# Altium PCB controller.PcbDoc (part 2 of 6)
Units mm, origin at the board's own origin, x right, y up, seen from the top; angles counter-clockwise.
Board outline 151 x 78 mm, 2 copper layers (Top Layer, Bottom Layer); 227 components, 202 nets, 805 pads, 125 vias.
Unrouted connection lines stored in the file: 1.
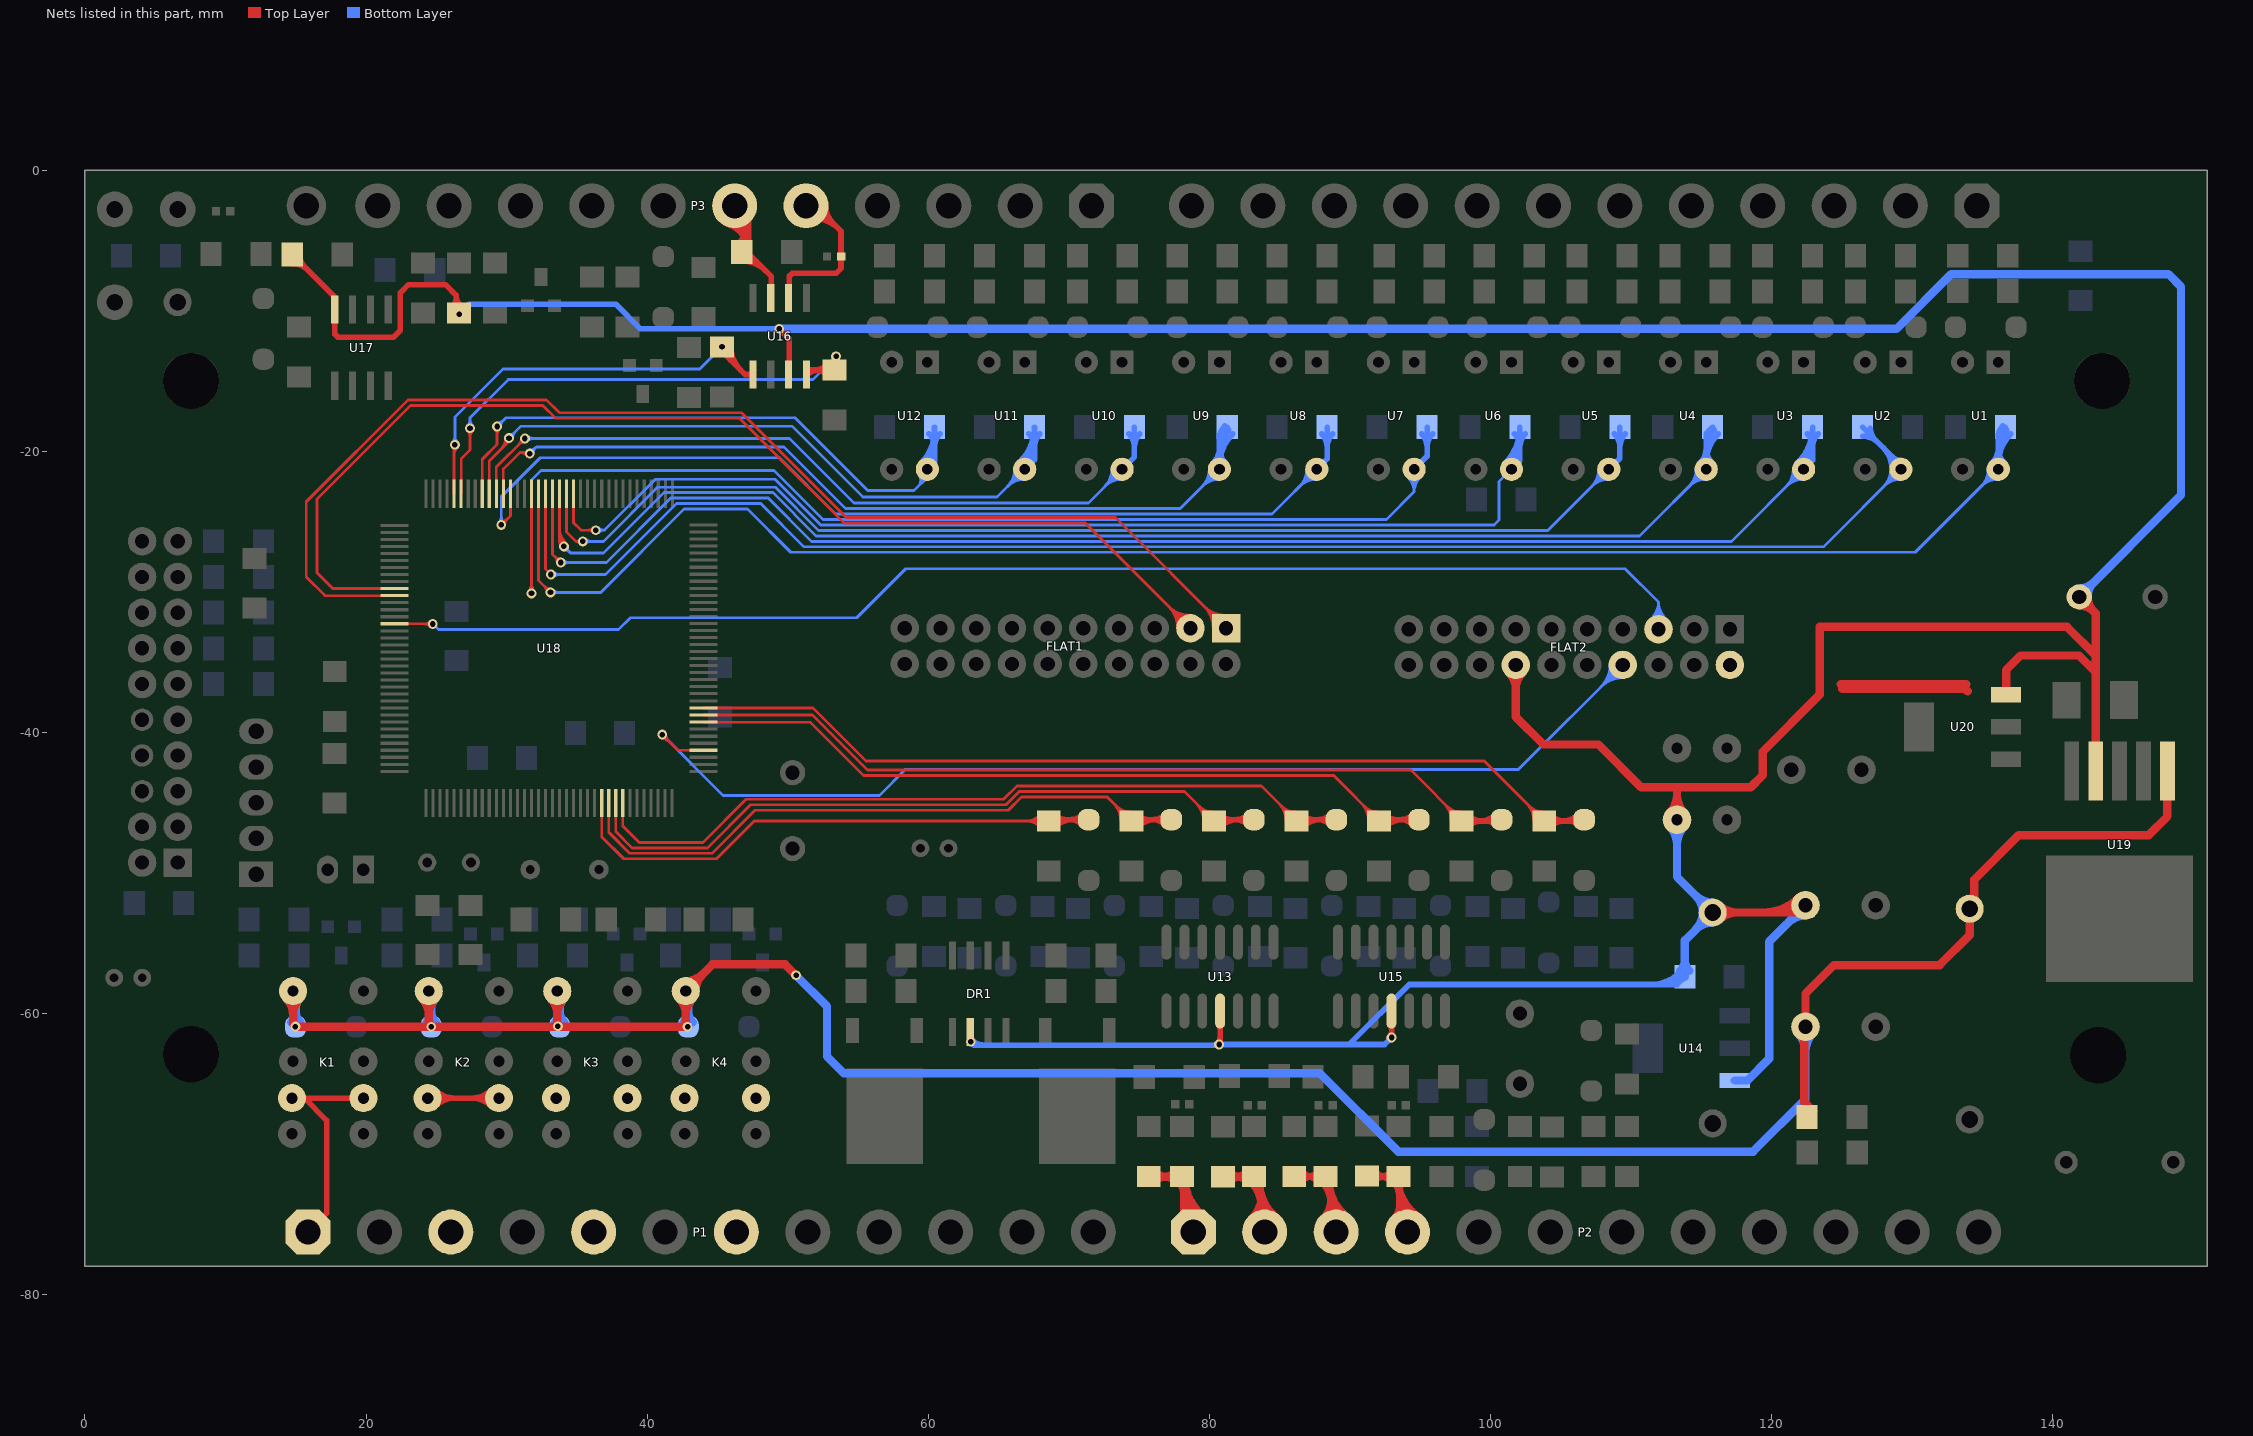
[diagram p2: the nets of this part, all layers, seen from the top]

## Via types
v1: diameter 0.7, hole 0.4, Top Layer to Bottom Layer, tented both sides, 124 vias
v2: diameter 0.8, hole 0.5, Top Layer to Bottom Layer, tented both sides, 1 vias

## Nets (pads, with @x,y where several pads share a name; then routed paths per layer and width w, separated by ;. In a path a pad name is that pad's centre, name@x,y a point inside that pad or via, vN(x,y) a via of type N, cw(c..) or ccw(c..) an arc to the next point about the centre after c; other vN are vias at no path point) (continued)
+5V: C7.2 C31.1 C32.2 DR1.6 F2.1 FLAT2.2 FLAT2.14 L2.2 R72.2 R79.1 U13.4 U14.3 U15.4 U16.3 U17.8 U19.4 U20.3 | length 416.9
  Top Layer w0.4: R72.2@14.752,-6.65 cw(c14.752,-8.219) 15.862,-7.11 ; R72.2@14.752,-6 17.775,-9.023 U17.8@17.775,-9.91 17.775,-11.675 18,-11.9 21.95,-11.9 22.437,-11.413 22.437,-8.738 23.025,-8.15 25.65,-8.15 26.416,-8.916 ; R72.2@15.302,-6.1 ccw(c16.388,-6.1) 15.62,-6.868 ; 17.581,-8.829 cw(c17.244,-9.165) U17.8@17.72,-9.165 ; R79.1@26.136,-9.769 ccw(c25.46,-9.093) 26.416,-9.093 ; R79.1@26.416,-10.16 26.416,-10.158 26.416,-8.916 ; 26.416,-9.383 ccw(c27.492,-9.383) R79.1@26.731,-10.144 ; v1(26.625,-10.25) R79.1@26.625,-10.158 ; R79.1@26.833,-9.703 cw(c27.366,-8.916) 26.416,-8.916 ; v1@49.4,-11.45 cw(c49.4,-11.812) 49.656,-11.556 cw(c49.912,-11.3) v1@49.55,-11.3 ; v1(49.4,-11.3) 50.115,-12.015 U16.3@50.115,-14.225 ; U16.3@50.026,-13.766 ccw(c49.812,-13.552) U16.3@50.115,-13.552 ; DR1.6@62.992,-61.583 ccw(c63.467,-61.583) DR1.6@63.131,-61.919 ; DR1.6@62.992,-61.433 DR1.6@62.992,-61.32 62.992,-62.008 62.975,-62.025 62.992,-62.025 v1(63.025,-62.025) ; v1@80.594,-62.119 ccw(c80.166,-61.691) 80.771,-61.691 ; U13.4@80.665,-60.847 cw(c80.409,-61.103) 80.771,-61.103 cw(c81.133,-61.103) U13.4@80.877,-60.847 ; v1(80.7,-62.225) 80.771,-62.154 U13.4@80.771,-59.841 ; U15.4@92.857,-60.847 cw(c92.572,-61.132) 92.975,-61.132 ; v1@92.869,-61.619 ccw(c92.613,-61.363) 92.975,-61.363 ccw(c93.337,-61.363) v1@93.081,-61.619 ; U15.4@92.963,-59.841 92.975,-59.853 v1(92.975,-61.725)
  Top Layer w0.6: FLAT2.14@101.304,-35.721 cw(c100.081,-36.944) 101.81,-36.944 cw(c103.539,-36.944) FLAT2.14@102.316,-35.721 ; FLAT2.14@101.81,-35.215 101.81,-38.91 103.775,-40.875 107.697,-40.875 110.736,-43.914 115.331,-43.914 ; C32.2@112.778,-45.722 ccw(c111.555,-44.499) 113.284,-44.499 ccw(c115.013,-44.499) C32.2@113.79,-45.722 ; C32.2@113.284,-46.228 113.284,-44.316 ; F2.1@115.824,-52.832 121.92,-52.832 C31.1@122.428,-52.324 ; F2.1@116.319,-53.327 cw(c117.514,-54.522) 117.514,-52.832 cw(c117.514,-51.142) F2.1@116.319,-52.337 ; 116.861,-43.914 115.331,-43.914 ; 119.473,-52.832 ccw(c119.473,-49.369) C31.1@121.922,-51.818 ; 120.922,-52.832 ccw(c120.922,-50.818) C31.1@122.346,-52.242 ; 124.925,-36.6 133.875,-36.6 ; 125.05,-36.925 133.8,-36.925 133.975,-37.1 ; U20.3@136.527,-37.147 ccw(c136.1,-36.72) 136.704,-36.72 ccw(c137.308,-36.72) U20.3@136.881,-37.147 ; U20.3@136.704,-37.324 136.704,-35.578 137.738,-34.544 141.902,-34.544 143.08,-35.722 ; L2.2@141.907,-30.975 cw(c141.907,-32.424) 142.931,-31.399 cw(c143.956,-30.375) L2.2@142.507,-30.375 ; L2.2@141.907,-30.375 143.08,-31.548 143.08,-34.552 ; U19.4@142.921,-41.042 ccw(c142.537,-40.658) 143.08,-40.658 ccw(c143.623,-40.658) U19.4@143.239,-41.042 ; U19.4@143.08,-42.776 143.08,-35.722 ; 115.331,-43.914 118.536,-43.914 119.377,-43.073 119.377,-41.398 123.444,-37.331 123.444,-32.512 141.04,-32.512 143.08,-34.552 ; 143.08,-35.722 143.08,-34.552
  Bottom Layer w0.4: v1(26.625,-10.25) 27.325,-9.55 37.775,-9.55 39.525,-11.3 v1(49.4,-11.3) ; v1@26.625,-10.1 ccw(c26.625,-9.738) 26.881,-9.994 ccw(c27.137,-10.25) v1@26.775,-10.25 ; v1@49.294,-11.406 ccw(c49.038,-11.662) 49.038,-11.3 ccw(c49.038,-10.938) v1@49.294,-11.194 ; v1(63.025,-62.025) 63.275,-62.275 80.65,-62.275 v1(80.7,-62.225) 89.954,-62.225 ; v1@63.131,-61.919 ccw(c63.991,-61.059) 63.991,-62.275 ; 80.217,-62.275 ccw(c80.217,-61.742) v1@80.594,-62.119 ; v1@80.806,-62.331 cw(c81.062,-62.587) 81.062,-62.225 cw(c81.062,-61.863) v1@80.806,-62.119 ; v1@92.825,-61.725 cw(c92.463,-61.725) 92.719,-61.981 cw(c92.975,-62.237) v1@92.975,-61.875 ; v1(92.975,-61.725) 92.475,-62.225 89.954,-62.225 ; 111.435,-57.95 ccw(c111.435,-55.099) C7.2@113.451,-57.115 ; 112.401,-57.95 ccw(c112.401,-56.065) C7.2@113.734,-57.398 ; C7.2@113.84,-57.404 113.294,-57.95 94.229,-57.95 89.954,-62.225
  Bottom Layer w0.6: v1(49.4,-11.3) 128.9,-11.3 132.8,-7.4 148.25,-7.4 149.15,-8.3 149.15,-23.132 L2.2@141.907,-30.375 ; C32.2@112.778,-46.734 cw(c111.555,-47.957) 113.284,-47.957 cw(c115.013,-47.957) C32.2@113.79,-46.734 ; C32.2@113.284,-46.228 113.284,-50.292 F2.1@115.824,-52.832 113.84,-54.816 C7.2@113.84,-57.404 ; C7.2@113.522,-56.986 ccw(c112.754,-56.218) 113.84,-56.218 ccw(c114.926,-56.218) C7.2@114.158,-56.986 ; F2.1@115.824,-53.532 ccw(c115.824,-55.222) 114.629,-54.027 ccw(c113.434,-52.832) 115.124,-52.832 ccw(c113.434,-52.832) 114.629,-51.637 ccw(c115.824,-50.442) F2.1@115.824,-52.132 ; U14.3@117.4,-64.784 118.291,-64.784 119.85,-63.225 119.85,-54.902 C31.1@122.428,-52.324 ; C31.1@121.712,-52.324 cw(c119.983,-52.324) 121.206,-53.546 cw(c122.428,-54.769) C31.1@122.428,-53.04 ; L2.2@141.907,-29.775 ccw(c141.907,-28.326) 142.931,-29.351 ccw(c143.956,-30.375) L2.2@142.507,-30.375
+12V: C30.1 D31.2 D32.2 D33.2 D34.2 D36.1 F1.2 K1.4 K2.4 K3.4 K4.4 U19.1 | length 223.8
  Top Layer w0.6: K1.4@14.317,-58.915 cw(c13.122,-60.11) 14.812,-60.11 cw(c16.502,-60.11) K1.4@15.307,-58.915 ; 14.812,-60.436 ccw(c15.489,-60.436) v1@15.01,-60.915 ; K1.4@14.812,-58.42 14.812,-60.787 v1(14.975,-60.95) ; v1@14.985,-60.96 v1(24.638,-60.96) ; K2.4@23.969,-58.915 cw(c22.774,-60.11) 24.464,-60.11 cw(c26.154,-60.11) K2.4@24.959,-58.915 ; 24.464,-60.419 ccw(c25.179,-60.419) v1@24.673,-60.925 ; K2.4@24.464,-58.42 24.464,-60.786 v1(24.638,-60.96) ; K3.4@33.113,-58.915 cw(c31.918,-60.11) 33.608,-60.11 cw(c35.298,-60.11) K3.4@34.103,-58.915 ; v1@33.608,-60.883 K3.4@33.608,-58.42 ; v1@33.65,-60.96 v1(24.638,-60.96) ; v1@33.685,-60.96 v1(42.885,-60.96) 42.752,-60.827 K4.4@42.752,-58.42 44.647,-56.525 49.825,-56.525 v1(50.6,-57.3) ; K4.4@42.257,-58.915 cw(c41.062,-60.11) 42.752,-60.11 cw(c44.442,-60.11) K4.4@43.247,-58.915 ; 42.752,-60.518 ccw(c43.327,-60.518) v1@42.92,-60.925 ; K4.4@42.752,-57.72 ccw(c42.752,-56.03) 43.947,-57.225 ccw(c45.142,-58.42) K4.4@43.452,-58.42 ; D36.1@122.974,-66.943 122.35,-66.318 122.35,-61.038 C30.1@122.428,-60.96 122.428,-58.597 124.45,-56.575 131.975,-56.575 134.112,-54.438 F1.2@134.112,-52.564 134.443,-52.233 134.443,-50.482 137.6,-47.325 146.85,-47.325 148.18,-45.995 U19.1@148.18,-42.776
  Bottom Layer w0.6: K1.4@14.317,-58.915 cw(c12.702,-60.53) D31.2@14.986,-60.53 ; D31.2@14.668,-60.63 ccw(c13.9,-59.862) 14.986,-59.862 ccw(c16.072,-59.862) D31.2@15.304,-60.63 ; K1.4@14.812,-58.42 14.986,-58.594 14.986,-60.95 D31.2@14.986,-60.96 ; 14.986,-59.69 cw(c16.082,-59.69) K1.4@15.307,-58.915 ; K2.4@23.969,-58.915 cw(c22.354,-60.53) D32.2@24.638,-60.53 ; D32.2@24.32,-60.63 ccw(c23.552,-59.862) 24.638,-59.862 ccw(c25.724,-59.862) D32.2@24.956,-60.63 ; K2.4@24.464,-58.42 24.638,-58.594 v1(24.638,-60.96) ; 24.638,-59.69 cw(c25.734,-59.69) K2.4@24.959,-58.915 ; K3.4@33.113,-58.915 cw(c31.498,-60.53) D33.2@33.782,-60.53 ; D33.2@33.464,-60.63 ccw(c32.696,-59.862) 33.782,-59.862 ccw(c34.868,-59.862) D33.2@34.1,-60.63 ; K3.4@33.608,-58.42 33.782,-58.594 33.782,-60.925 D33.2@33.782,-60.96 ; D33.2@33.615,-60.89 ccw(c33.211,-60.486) D33.2@33.782,-60.486 ; 33.782,-59.69 cw(c34.878,-59.69) K3.4@34.103,-58.915 ; K4.4@42.257,-58.915 cw(c40.642,-60.53) D34.2@42.926,-60.53 ; D34.2@42.608,-60.63 ccw(c41.84,-59.862) 42.926,-59.862 ccw(c44.012,-59.862) D34.2@43.244,-60.63 ; K4.4@42.752,-58.42 42.926,-58.594 D34.2@42.926,-60.96 v1(42.885,-60.96) ; 42.926,-59.69 cw(c44.022,-59.69) K4.4@43.247,-58.915 ; v1(50.6,-57.3) 52.8,-59.5 52.8,-63.075 54,-64.275 87.875,-64.275 93.45,-69.85 118.7,-69.85 122.428,-66.122 C30.1@122.428,-60.96 ; C30.1@121.922,-61.466 cw(c120.699,-62.689) 122.428,-62.689 cw(c124.157,-62.689) C30.1@122.934,-61.466
  other v1: 33.65,-60.925
/CS: FLAT2.5 U18.123 | length 102.3
  Top Layer w0.2: U18.123@22.02,-32.286 24.736,-32.286 v1(24.75,-32.3) ; 24.113,-32.286 cw(c24.113,-32.937) v1@24.573,-32.477 ; 24.18,-32.286 ccw(c24.18,-31.73) v1@24.573,-32.123
  Bottom Layer w0.2: v1(24.75,-32.3) 25.15,-32.7 37.975,-32.7 38.82,-31.855 54.918,-31.855 58.403,-28.37 109.595,-28.37 111.97,-30.745 ; FLAT2.5@111.391,-31.965 ccw(c110.395,-30.745) 111.97,-30.745 ; FLAT2.5@111.517,-32.12 ccw(c110.739,-31.166) 111.97,-31.166 ccw(c113.201,-31.166) FLAT2.5@112.423,-32.12 ; FLAT2.5@111.644,-32.275 ccw(c111.083,-31.588) 111.97,-31.588 ccw(c112.857,-31.588) FLAT2.5@112.296,-32.275 ; FLAT2.5@111.97,-32.675 111.97,-30.745 ; FLAT2.5@112.549,-31.965 cw(c113.545,-30.745) 111.97,-30.745
/RD: FLAT1.3 U18.118 | length 90.9
  Top Layer w0.2: U18.118@22.02,-29.786 17.636,-29.786 16.5,-28.65 16.5,-23.403 23.158,-16.745 32.573,-16.745 33.483,-17.655 46.553,-17.655 54.012,-25.113 71.173,-25.113 FLAT1.3@78.66,-32.6 ; FLAT1.3@77.744,-32.6 ccw(c75.533,-32.6) 77.096,-31.036 ccw(c78.66,-29.473) FLAT1.3@78.66,-31.684 ; FLAT1.3@77.944,-32.6 ccw(c76.215,-32.6) 77.438,-31.378 ccw(c78.66,-30.155) FLAT1.3@78.66,-31.884 ; FLAT1.3@78.144,-32.6 ccw(c76.898,-32.6) 77.779,-31.719 ccw(c78.66,-30.838) FLAT1.3@78.66,-32.084
/WR: FLAT1.1 U18.119 | length 95.5
  Top Layer w0.2: U18.119@22.02,-30.286 17.086,-30.286 15.75,-28.95 15.75,-23.602 22.997,-16.355 32.85,-16.355 33.76,-17.265 46.715,-17.265 54.173,-24.723 73.323,-24.723 FLAT1.1@81.2,-32.6 ; FLAT1.1@80.284,-32.6 ccw(c78.073,-32.6) 79.636,-31.036 ccw(c81.2,-29.473) FLAT1.1@81.2,-31.684 ; FLAT1.1@80.484,-32.6 ccw(c78.755,-32.6) 79.978,-31.378 ccw(c81.2,-30.155) FLAT1.1@81.2,-31.884 ; FLAT1.1@80.684,-32.6 ccw(c79.438,-32.6) 80.319,-31.719 ccw(c81.2,-30.838) FLAT1.1@81.2,-32.084
AIN1: P2.1 R37.2 R41.1 | length 20.1
  Top Layer w0.6: R41.1@75.692,-71.628 78.05,-71.628 R37.2@78.232,-71.628 ; R41.1@76.11,-71.946 cw(c76.878,-72.714) 76.878,-71.628 cw(c76.878,-70.542) R41.1@76.11,-71.31 ; 76.852,-71.628 ccw(c76.852,-70.525) R37.2@77.632,-71.305 ; 76.876,-71.628 cw(c76.876,-72.697) R37.2@77.632,-71.941 ; R37.2@77.832,-71.941 cw(c76.866,-72.907) 78.232,-72.907 ; P2.1@77.948,-74.646 ccw(c77.262,-73.96) 78.232,-73.96 ; P2.1@78.232,-74.07 ccw(c80.021,-74.07) P2.1@78.928,-75.486 ; 78.232,-72.849 ccw(c80.962,-72.849) P2.1@79.295,-75.011 ; 78.232,-72.511 cw(c79.038,-72.511) R37.2@78.468,-71.941 ; P2.1@78.867,-75.565 78.232,-74.93 R37.2@78.232,-71.628 ; P2.1@79.661,-74.536 cw(c81.904,-71.628) R37.2@78.232,-71.628
AIN2: P2.2 R38.2 R42.1 | length 23.2
  Top Layer w0.4: R38.2@82.886,-72.012 cw(c81.068,-73.83) 83.639,-73.83 ; P2.2@82.957,-74.575 ccw(c81.31,-72.928) 83.639,-72.928 ; R38.2@83.169,-71.729 cw(c82.033,-72.865) 83.639,-72.865 ; P2.2@83.24,-74.858 ccw(c82.276,-73.894) 83.639,-73.894 ; R38.2@83.312,-71.628 R38.2@83.639,-71.955 ; 83.639,-73.646 ccw(c85.521,-73.646) P2.2@84.328,-75.101 ; 83.639,-72.801 ccw(c86.214,-72.801) P2.2@84.581,-74.792 ; P2.2@83.947,-75.565 83.639,-75.257 R38.2@83.639,-71.955 ; P2.2@84.835,-74.483 cw(c86.908,-71.955) R38.2@83.639,-71.955
  Top Layer w0.6: R42.1@80.772,-71.628 80.975,-71.628 83.175,-71.628 R38.2@83.312,-71.628 ; R42.1@81.393,-71.951 cw(c82.173,-72.731) 82.173,-71.628 ; R42.1@81.393,-71.315 ccw(c82.149,-70.559) 82.149,-71.628 ; 81.977,-71.628 ccw(c81.977,-70.525) R38.2@82.757,-71.305 ; 82.001,-71.628 cw(c82.001,-72.697) R38.2@82.757,-71.941
AIN3: P2.3 R39.2 R43.1 | length 22.7
  Top Layer w0.4: R43.1@85.852,-71.628 86.05,-71.628 88.275,-71.628 88.392,-71.628 R39.2@88.583,-71.819 ; R43.1@86.539,-71.997 cw(c87.43,-72.888) R39.2@87.43,-71.628 ; R43.1@86.539,-71.219 ccw(c87.526,-70.232) R39.2@87.526,-71.628 ; R43.1@86.835,-71.628 ccw(c86.835,-70.283) R39.2@87.786,-71.234 ; R43.1@86.859,-71.628 cw(c86.859,-72.939) R39.2@87.786,-72.012 ; R39.2@87.986,-72.012 cw(c86.546,-73.452) 88.583,-73.452 ; P2.3@88.037,-74.575 ccw(c86.72,-73.258) 88.583,-73.258 ; R39.2@88.269,-71.729 cw(c87.512,-72.486) 88.583,-72.486 ; 88.583,-73.444 ccw(c90.659,-73.444) P2.3@89.393,-75.089 ; 88.583,-72.631 ccw(c91.284,-72.631) P2.3@89.637,-74.772 ; 88.583,-72.45 cw(c89.202,-72.45) R39.2@88.764,-72.012 ; P2.3@89.027,-75.565 88.583,-75.12 R39.2@88.583,-71.819 ; P2.3@89.881,-74.455 cw(c91.909,-71.819) R39.2@88.582,-71.819
AIN4: P2.4 R40.2 R44.1 | length 23.9
  Top Layer w0.4: R44.1@90.932,-71.628 91.225,-71.628 R40.2@93.472,-71.628 ; R44.1@91.714,-71.972 cw(c92.544,-72.802) 92.544,-71.628 ; R44.1@91.714,-71.194 ccw(c92.761,-70.147) R40.2@92.761,-71.628 ; R40.2@92.983,-72.017 ccw(c92.044,-72.956) 92.044,-71.628 ccw(c92.044,-70.3) R40.2@92.983,-71.239 ; R40.2@93.083,-72.017 cw(c92.144,-72.956) 93.472,-72.956 cw(c94.8,-72.956) R40.2@93.861,-72.017 ; P2.4@93.117,-74.575 ccw(c92.26,-73.718) 93.472,-73.718 ; 93.472,-73.95 ccw(c95.252,-73.95) P2.4@94.223,-75.402 ; 93.472,-73.176 ccw(c95.801,-73.176) P2.4@94.454,-75.075 ; 93.472,-72.402 ccw(c96.349,-72.402) P2.4@94.685,-74.749 ; P2.4@94.107,-75.565 93.472,-74.93 R40.2@93.472,-71.628 ; P2.4@94.917,-74.423 cw(c96.898,-71.628) R40.2@93.472,-71.628
AN1: D17.2 R53.2 U18.26 | length 47.1
  Top Layer w0.2: U18.26@36.77,-45.036 36.77,-47.447 38.333,-49.01 44.933,-49.01 47.627,-46.315 R53.2@68.58,-46.315 ; R53.2@68.02,-46.775 ccw(c66.911,-47.885) 66.911,-46.315 ccw(c66.911,-44.746) R53.2@68.02,-45.856 ; R53.2@68.162,-46.634 ccw(c67.394,-47.402) 67.394,-46.315 ccw(c67.394,-45.229) R53.2@68.162,-45.997
  Top Layer w0.4: R53.2@68.667,-46.228 D17.2@71.425,-46.228 ; R53.2@69.069,-46.704 cw(c70.219,-47.854) 70.219,-46.228 ; R53.2@69.069,-45.926 ccw(c69.797,-45.199) 69.797,-46.228 ; D17.2@71.024,-46.617 ccw(c70.085,-47.556) 70.085,-46.228 ccw(c70.085,-44.9) D17.2@71.024,-45.839
AN2: D18.2 R54.2 U18.27 | length 54.9
  Top Layer w0.2: 37.27,-47.02 37.27,-46.127 ; U18.27@37.27,-45.036 37.27,-46.127 ; 73.176,-45.035 cw(c71.895,-46.315) R54.2@73.706,-46.315 ; 73.417,-45.276 ccw(c74.356,-44.338) R54.2@74.356,-45.665 ; 73.517,-45.376 cw(c72.578,-46.315) R54.2@73.906,-46.315 ; R54.2@73.758,-45.618 ccw(c74.356,-45.02) R54.2@74.356,-45.865 ; R54.2@73.858,-45.718 cw(c73.261,-46.315) R54.2@74.106,-46.315 ; R54.2@74.456,-46.315 72.745,-44.605 66.645,-44.605 65.695,-45.555 47.67,-45.555 44.605,-48.62 38.768,-48.62 37.27,-47.122 37.27,-46.127
  Top Layer w0.4: R54.2@74.543,-46.228 D18.2@77.301,-46.228 ; R54.2@74.945,-46.704 cw(c76.095,-47.854) 76.095,-46.228 ; R54.2@74.945,-45.926 ccw(c75.673,-45.199) 75.673,-46.228 ; D18.2@76.9,-46.617 ccw(c75.961,-47.556) 75.961,-46.228 ccw(c75.961,-44.9) D18.2@76.9,-45.839
AN3: D19.2 R55.2 U18.28 | length 59.5
  Top Layer w0.2: U18.28@37.77,-45.036 37.77,-47.07 38.93,-48.23 44.295,-48.23 47.36,-45.165 65.533,-45.165 66.483,-44.215 78.231,-44.215 R55.2@80.332,-46.315 ; 79.051,-45.035 cw(c77.771,-46.315) R55.2@79.582,-46.315 ; 79.293,-45.276 ccw(c80.232,-44.338) R55.2@80.232,-45.665 ; 79.393,-45.376 cw(c78.454,-46.315) R55.2@79.782,-46.315 ; R55.2@79.634,-45.618 ccw(c80.232,-45.02) R55.2@80.232,-45.865 ; R55.2@79.734,-45.718 cw(c79.137,-46.315) R55.2@79.982,-46.315
  Top Layer w0.4: R55.2@80.332,-46.315 80.419,-46.228 D19.2@83.177,-46.228 ; R55.2@80.821,-46.704 cw(c81.971,-47.854) 81.971,-46.228 ; R55.2@80.821,-45.926 ccw(c81.548,-45.199) 81.548,-46.228 ; D19.2@82.776,-46.617 ccw(c81.837,-47.556) 81.837,-46.228 ccw(c81.837,-44.9) D19.2@82.776,-45.839
AN4: D20.2 R56.2 U18.29 | length 64.6
  Top Layer w0.2: U18.29@38.27,-45.036 38.27,-46.672 39.438,-47.84 43.985,-47.84 47.05,-44.775 65.372,-44.775 66.322,-43.825 83.717,-43.825 R56.2@86.208,-46.315 ; 84.927,-45.035 cw(c83.647,-46.315) R56.2@85.458,-46.315 ; 85.169,-45.276 ccw(c86.108,-44.338) R56.2@86.108,-45.665 ; 85.269,-45.376 cw(c84.33,-46.315) R56.2@85.658,-46.315 ; R56.2@85.51,-45.618 ccw(c86.108,-45.02) R56.2@86.108,-45.865 ; R56.2@85.61,-45.718 cw(c85.013,-46.315) R56.2@85.858,-46.315
  Top Layer w0.4: R56.2@86.208,-46.315 86.295,-46.228 D20.2@89.052,-46.228 ; R56.2@86.696,-46.704 cw(c87.846,-47.854) 87.846,-46.228 ; R56.2@86.696,-45.926 ccw(c87.424,-45.199) 87.424,-46.228 ; D20.2@88.652,-46.617 ccw(c87.713,-47.556) 87.713,-46.228 ccw(c87.713,-44.9) D20.2@88.652,-45.839
AN5: D26.2 R68.2 U18.44 | length 62.9
  Top Layer w0.2: U18.44@44.02,-39.286 51.586,-39.286 55.39,-43.09 88.858,-43.09 R68.2@92.083,-46.315 ; 90.803,-45.035 cw(c89.523,-46.315) R68.2@91.333,-46.315 ; 91.044,-45.276 ccw(c91.983,-44.338) R68.2@91.983,-45.665 ; 91.144,-45.376 cw(c90.206,-46.315) R68.2@91.533,-46.315 ; R68.2@91.386,-45.618 ccw(c91.983,-45.02) R68.2@91.983,-45.865 ; R68.2@91.486,-45.718 cw(c90.888,-46.315) R68.2@91.733,-46.315
  Top Layer w0.4: R68.2@92.083,-46.315 92.171,-46.228 D26.2@94.928,-46.228 ; R68.2@92.572,-46.704 cw(c93.722,-47.854) 93.722,-46.228 ; R68.2@92.572,-45.926 ccw(c93.3,-45.199) 93.3,-46.228 ; D26.2@94.527,-46.617 ccw(c93.588,-47.556) 93.588,-46.228 ccw(c93.588,-44.9) D26.2@94.527,-45.839
AN6: D27.2 R69.2 U18.45 | length 68.9
  Top Layer w0.2: U18.45@44.02,-38.786 51.761,-38.786 55.675,-42.7 94.344,-42.7 R69.2@97.959,-46.315 ; 96.679,-45.035 cw(c95.399,-46.315) R69.2@97.209,-46.315 ; 96.92,-45.276 ccw(c97.859,-44.338) R69.2@97.859,-45.665 ; 97.02,-45.376 cw(c96.081,-46.315) R69.2@97.409,-46.315 ; R69.2@97.262,-45.618 ccw(c97.859,-45.02) R69.2@97.859,-45.865 ; R69.2@97.362,-45.718 cw(c96.764,-46.315) R69.2@97.609,-46.315
  Top Layer w0.4: R69.2@97.959,-46.315 100.717,-46.315 D27.2@100.804,-46.228 ; R69.2@98.448,-46.704 cw(c99.387,-47.643) 99.387,-46.315 cw(c99.387,-44.988) R69.2@98.448,-45.926 ; 99.253,-46.315 ccw(c99.253,-44.689) D27.2@100.403,-45.839 ; 99.675,-46.315 cw(c99.675,-47.345) D27.2@100.403,-46.617
AN7: D28.2 R70.2 U18.46 | length 75
  Top Layer w0.2: U18.46@44.02,-38.286 51.813,-38.286 55.577,-42.05 99.57,-42.05 R70.2@103.835,-46.315 ; 102.555,-45.035 cw(c101.274,-46.315) R70.2@103.085,-46.315 ; 102.796,-45.276 ccw(c103.735,-44.338) R70.2@103.735,-45.665 ; 102.896,-45.376 cw(c101.957,-46.315) R70.2@103.285,-46.315 ; R70.2@103.138,-45.618 ccw(c103.735,-45.02) R70.2@103.735,-45.865 ; R70.2@103.238,-45.718 cw(c102.64,-46.315) R70.2@103.485,-46.315
  Top Layer w0.4: R70.2@103.835,-46.315 106.593,-46.315 D28.2@106.68,-46.228 ; R70.2@104.324,-46.704 cw(c105.263,-47.643) 105.263,-46.315 cw(c105.263,-44.988) R70.2@104.324,-45.926 ; 105.129,-46.315 ccw(c105.129,-44.689) D28.2@106.279,-45.839 ; 105.551,-46.315 cw(c105.551,-47.345) D28.2@106.279,-46.617
C1: K1.1 P1.1 | length 15.8
  Top Layer w0.4: K1.1@14.732,-66.04 K1.1@15.615,-66.04 ; P1.1@15.875,-75.565 17.2,-74.24 17.2,-67.625 K1.1@15.615,-66.04 ; K1.1@19.812,-66.04 K1.1@15.615,-66.04
C2: K2.1 P1.3 | length 11.1
  Top Layer w0.4: K2.1@24.384,-66.04 K2.1@29.464,-66.04 ; K2.1@24.95,-66.606 cw(c26.315,-67.971) 26.315,-66.04 cw(c26.315,-64.109) K2.1@24.95,-65.474 ; K2.1@28.898,-66.606 ccw(c27.533,-67.971) 27.533,-66.04 ccw(c27.533,-64.109) K2.1@28.898,-65.474
C3: K3.1 P1.5
C4: K4.1 P1.7
CAN_RX: R71.1 U16.4 U18.103 | length 44.5
  Top Layer w0.2: U18.103@26.77,-23.036 26.77,-20.555 27.4,-19.925 v1(27.4,-18.375) ; v1@27.223,-18.552 cw(c26.796,-18.979) 27.4,-18.979 cw(c28.004,-18.979) v1@27.577,-18.552 ; R71.1@53.199,-13.62 ccw(c53.051,-13.25) v1(53.45,-13.25) ; v1@53.273,-13.427 cw(c52.846,-13.854) 53.45,-13.854 cw(c54.054,-13.854) v1@53.627,-13.427 ; R71.1@53.34,-14.224 53.45,-14.114 v1(53.45,-13.25) ; R71.1@53.698,-13.627 cw(c53.861,-13.25) v1(53.45,-13.25)
  Top Layer w0.4: U16.4@51.335,-14.55 51.661,-14.224 R71.1@53.34,-14.224 ; U16.4@51.374,-14.589 cw(c52.255,-15.47) 52.255,-14.224 ; R71.1@52.851,-14.613 ccw(c51.912,-15.552) 51.912,-14.224 ccw(c51.912,-12.896) R71.1@52.851,-13.835
  Bottom Layer w0.2: v1@27.223,-18.198 ccw(c26.796,-17.771) 27.4,-17.771 ccw(c28.004,-17.771) v1@27.577,-18.198 ; v1(27.4,-18.375) 27.4,-17.625 30.125,-14.9 51.8,-14.9 v1(53.45,-13.25) ; v1@53.2,-13.25 cw(c52.596,-13.25) 53.023,-13.677 cw(c53.45,-14.104) v1@53.45,-13.5
CAN_TX: R76.2 U16.1 U18.104 | length 36.1
  Top Layer w0.2: v1@26.148,-19.727 cw(c25.854,-20.021) 26.27,-20.021 ; U18.104@26.27,-23.036 26.27,-19.605 v1(26.325,-19.55) ; 26.27,-20.286 cw(c27.061,-20.286) v1@26.502,-19.727
  Top Layer w0.4: R76.2@45.325,-12.902 46.973,-14.55 U16.1@47.525,-14.55 ; R76.2@45.475,-12.575 ccw(c46.627,-12.575) 45.812,-13.389 ; R76.2@45.575,-12.602 ccw(c46.903,-12.602) 45.964,-13.541 ; R76.2@45.975,-12.602 ccw(c48.269,-12.602) 46.647,-14.224 ; U16.1@47.525,-14.225 U16.1@47.575,-14.225
  Bottom Layer w0.2: v1@26.148,-19.373 ccw(c25.721,-18.946) 26.325,-18.946 ccw(c26.929,-18.946) v1@26.502,-19.373 ; v1(26.325,-19.55) 26.325,-17.575 29.75,-14.15 43.75,-14.15 v1(45.325,-12.575) ; v1@45.075,-12.575 cw(c44.471,-12.575) 44.898,-13.002 cw(c45.325,-13.429) v1@45.325,-12.825
CANH: P3.6 R81.1 U16.7 | length 24.3
  Top Layer w0.4: P3.6@45.753,-3.857 cw(c44.989,-5.978) R81.1@47.244,-5.978 ; P3.6@45.889,-3.481 cw(c45.194,-5.409) R81.1@47.244,-5.409 ; P3.6@46.025,-3.104 cw(c45.399,-4.84) 47.244,-4.84 ; P3.6@46.16,-2.728 cw(c45.605,-4.271) 47.244,-4.271 ; P3.6@46.228,-2.54 P3.6@47.244,-3.556 ; R81.1@46.397,-5.292 ccw(c45.042,-3.556) P3.6@47.244,-3.556 ; R81.1@46.644,-5.607 ccw(c45.682,-4.376) 47.244,-4.376 ; R81.1@46.736,-6.475 cw(c46.736,-8.923) 48.467,-7.192 ; R81.1@46.736,-6.075 cw(c46.736,-7.557) 47.784,-6.509 ; R81.1@46.736,-5.825 47.1,-5.825 R81.1@47.244,-5.969 ; R81.1@47.244,-6.096 R81.1@47.244,-5.969 ; U16.7@48.756,-8.326 ccw(c48.542,-8.112) U16.7@48.845,-8.112 ; U16.7@48.845,-8.785 48.845,-7.57 R81.1@47.244,-5.969 ; R81.1@47.244,-5.969 47.244,-5.825 P3.6@47.244,-3.556
CANL: P3.5 U16.6 W6.1 | length 16.7
  Top Layer w0.4: U16.6@50.026,-8.326 ccw(c49.812,-8.112) U16.6@50.115,-8.112 ; U16.6@50.115,-8.785 50.115,-7.56 50.325,-7.35 53.45,-7.35 53.8,-7 W6.1@53.8,-6.15 53.8,-4.35 51.99,-2.54 P3.5@51.308,-2.54 ; P3.5@51.425,-3.129 cw(c51.782,-4.931) 53.082,-3.632 ; P3.5@51.502,-3.521 cw(c51.957,-5.815) 53.611,-4.161 ; P3.5@52.708,-2.54 ccw(c54.441,-2.54) 53.216,-3.766
CS_ENC: FLAT2.8 U18.40 | length 87.4
  Top Layer w0.2: v1@41.075,-40.425 cw(c41.075,-41.029) 41.502,-40.602 cw(c41.929,-40.175) v1@41.325,-40.175 ; v1(41.075,-40.175) 42.186,-41.286 U18.40@44.02,-41.286
  Bottom Layer w0.2: v1@41.075,-40.425 cw(c41.075,-41.029) 41.502,-40.602 cw(c41.929,-40.175) v1@41.325,-40.175 ; v1(41.075,-40.175) 45.4,-44.5 56.525,-44.5 58.365,-42.66 101.985,-42.66 FLAT2.8@109.43,-35.215 ; FLAT2.8@108.514,-35.215 cw(c106.303,-35.215) 107.866,-36.779 cw(c109.43,-38.342) FLAT2.8@109.43,-36.131 ; FLAT2.8@108.714,-35.215 cw(c106.985,-35.215) 108.208,-36.437 cw(c109.43,-37.66) FLAT2.8@109.43,-35.931 ; FLAT2.8@108.914,-35.215 cw(c107.668,-35.215) 108.549,-36.096 cw(c109.43,-36.977) FLAT2.8@109.43,-35.731
DIG1: R13.1 U1.4 U18.92 | length 133.7
  Top Layer w0.2: U18.92@32.27,-23.036 32.27,-29.195 v1(33.125,-30.05) ; v1@32.875,-30.05 ccw(c32.271,-30.05) 32.698,-29.623 ccw(c33.125,-29.196) v1@33.125,-29.8
  Bottom Layer w0.2: v1(33.125,-30.05) 36.7,-30.05 42.625,-24.125 47.15,-24.125 50.225,-27.2 130.234,-27.2 U1.4@136.144,-21.29 ; v1@33.302,-30.227 cw(c33.729,-30.654) 33.729,-30.05 cw(c33.729,-29.446) v1@33.302,-29.873 ; U1.4@135.418,-21.29 cw(c133.667,-21.29) 134.905,-22.529 cw(c136.144,-23.767) U1.4@136.144,-22.016 ; U1.4@135.618,-21.29 cw(c134.35,-21.29) 135.247,-22.187 cw(c136.144,-23.084) U1.4@136.144,-21.816
  Bottom Layer w0.4: U1.4@135.702,-20.848 ccw(c134.634,-19.78) 136.144,-19.78 ccw(c137.654,-19.78) U1.4@136.586,-20.848 ; U1.4@136.144,-21.29 136.144,-18.796 R13.1@136.652,-18.288 ; U1.4@136.144,-20.942 cw(c139.206,-20.942) R13.1@137.041,-18.777 ; 136.144,-19.977 cw(c138.241,-19.977) R13.1@136.758,-18.494 ; R13.1@136.144,-19.011 cw(c137.275,-19.011) R13.1@136.475,-18.211
DIG2: R14.1 U2.4 U18.91 | length 122.8
  Top Layer w0.2: U18.91@32.77,-23.036 32.77,-28.395 v1(33.15,-28.775)
  Bottom Layer w0.2: v1(33.15,-28.775) 37.05,-28.775 42.09,-23.735 48.085,-23.735 51.16,-26.81 123.697,-26.81 U2.4@129.217,-21.29 ; v1@33.327,-28.952 cw(c33.754,-29.379) 33.754,-28.775 cw(c33.754,-28.171) v1@33.327,-28.598 ; U2.4@128.491,-21.29 cw(c126.74,-21.29) 127.978,-22.529 cw(c129.217,-23.767) U2.4@129.217,-22.016 ; U2.4@128.691,-21.29 cw(c127.423,-21.29) 128.32,-22.187 cw(c129.217,-23.084) U2.4@129.217,-21.816
  Bottom Layer w0.4: R14.1@126.492,-18.938 cw(c126.492,-20.507) 127.602,-19.398 ; R14.1@126.492,-18.288 129.217,-21.013 U2.4@129.217,-21.29 ; R14.1@127.042,-18.388 ccw(c128.128,-18.388) 127.36,-19.156 ; 127.953,-19.749 cw(c126.411,-21.29) U2.4@128.591,-21.29 ; 128.622,-20.418 ccw(c129.217,-19.824) U2.4@129.217,-20.665 ; 128.636,-20.432 cw(c127.777,-21.29) U2.4@128.991,-21.29
DIG3: R15.1 U3.4 U18.90 | length 117.2
  Top Layer w0.2: U18.90@33.27,-23.036 33.27,-27.345 v1(33.85,-27.925) ; v1@33.6,-27.925 ccw(c32.996,-27.925) 33.423,-27.498 ccw(c33.85,-27.071) v1@33.85,-27.675
  Bottom Layer w0.2: v1(33.85,-27.925) 37.1,-27.925 41.68,-23.345 48.62,-23.345 51.695,-26.42 117.16,-26.42 U3.4@122.289,-21.29 ; v1@34.027,-28.102 cw(c34.454,-28.529) 34.454,-27.925 cw(c34.454,-27.321) v1@34.027,-27.748 ; U3.4@121.564,-21.29 cw(c119.812,-21.29) 121.051,-22.529 cw(c122.289,-23.767) U3.4@122.289,-22.016 ; U3.4@121.764,-21.29 cw(c120.495,-21.29) 121.392,-22.187 cw(c122.289,-23.084) U3.4@122.289,-21.816
  Bottom Layer w0.4: U3.4@121.854,-20.841 ccw(c119.383,-18.288) R15.1@122.936,-18.288 122.936,-20.644 U3.4@122.289,-21.29 ; U3.4@122.133,-21.128 ccw(c120.297,-19.232) 122.936,-19.232 ; U3.4@122.411,-21.415 ccw(c121.211,-20.176) 122.936,-20.176 ; R15.1@122.547,-18.777 cw(c121.608,-19.716) 122.936,-19.716 cw(c124.264,-19.716) R15.1@123.325,-18.777
DIG4: R16.1 U4.4 U18.89 | length 108.2
  Top Layer w0.2: 33.77,-26.401 ccw(c34.449,-26.401) v1@33.969,-26.881 ; 33.77,-25.918 ccw(c34.932,-25.918) v1@34.11,-26.74 ; 33.77,-25.435 ccw(c35.415,-25.435) v1@34.252,-26.598 ; U18.89@33.77,-23.036 33.77,-26.47 v1(34.075,-26.775)
  Bottom Layer w0.2: v1@34.075,-27.025 cw(c34.075,-27.629) 34.502,-27.202 cw(c34.929,-26.775) v1@34.325,-26.775 ; v1(34.075,-26.775) 34.55,-27.25 36.9,-27.25 41.195,-22.955 48.955,-22.955 52.03,-26.03 110.622,-26.03 U4.4@115.362,-21.29 ; U4.4@114.637,-21.29 cw(c112.885,-21.29) 114.124,-22.529 cw(c115.362,-23.767) U4.4@115.362,-22.016 ; U4.4@114.837,-21.29 cw(c113.568,-21.29) 114.465,-22.187 cw(c115.362,-23.084) U4.4@115.362,-21.816
  Bottom Layer w0.4: U4.4@114.92,-20.848 ccw(c113.852,-19.78) 115.362,-19.78 ccw(c116.872,-19.78) U4.4@115.804,-20.848 ; U4.4@115.362,-21.29 115.362,-18.75 R16.1@115.824,-18.288 ; U4.4@115.362,-20.831 cw(c118.267,-20.831) R16.1@116.213,-18.777 ; 115.362,-19.865 cw(c117.301,-19.865) R16.1@115.93,-18.494
DIG5: R17.1 U5.4 U18.88 | length 93.6
  Top Layer w0.2: U18.88@34.27,-23.036 34.27,-25.745 34.95,-26.425 ; v1@35.219,-26.567 ccw(c34.95,-26.751) 34.95,-26.425 ; v1@35.219,-26.283 cw(c34.95,-26.099) 34.95,-26.425 ; v1(35.425,-26.425) 34.95,-26.425
  Bottom Layer w0.2: v1(35.425,-26.425) 36.9,-26.425 40.76,-22.565 49.117,-22.565 52.192,-25.64 104.085,-25.64 U5.4@108.435,-21.29 ; v1@35.602,-26.602 cw(c36.029,-27.029) 36.029,-26.425 cw(c36.029,-25.821) v1@35.602,-26.248 ; U5.4@107.709,-21.29 cw(c105.958,-21.29) 107.196,-22.529 cw(c108.435,-23.767) U5.4@108.435,-22.016 ; U5.4@107.909,-21.29 cw(c106.641,-21.29) 107.538,-22.187 cw(c108.435,-23.084) U5.4@108.435,-21.816
  Bottom Layer w0.4: U5.4@108.435,-21.29 109.22,-20.505 R17.1@109.22,-18.288 ; R17.1@108.831,-18.777 cw(c107.892,-19.716) 109.22,-19.716 cw(c110.548,-19.716) R17.1@109.609,-18.777
DIG6: R18.1 U6.4 U18.87 | length 88.4
  Top Layer w0.2: U18.87@34.77,-23.036 34.77,-25.095 35.3,-25.625 v1(36.35,-25.625) ; v1@36.173,-25.802 ccw(c35.746,-26.229) 35.746,-25.625 ccw(c35.746,-25.021) v1@36.173,-25.448
  Bottom Layer w0.2: v1(36.35,-25.625) 36.975,-25.625 40.6,-22 49.103,-22 52.353,-25.25 100.275,-25.25 100.625,-24.9 100.625,-22.173 U6.4@101.508,-21.29 ; v1@36.527,-25.802 cw(c36.954,-26.229) 36.954,-25.625 cw(c36.954,-25.021) v1@36.527,-25.448
  Bottom Layer w0.4: U6.4@101.065,-20.848 ccw(c98.548,-18.331) R18.1@102.108,-18.331 ; U6.4@101.348,-21.131 ccw(c99.514,-19.296) 102.108,-19.296 ; U6.4@101.508,-21.29 102.108,-20.69 R18.1@102.108,-18.288 ; U6.4@101.631,-21.413 ccw(c100.479,-20.262) 102.108,-20.262 ; R18.1@101.719,-18.777 cw(c100.78,-19.716) 102.108,-19.716 cw(c103.436,-19.716) R18.1@102.497,-18.777
DIG7: R31.1 U7.4 U18.93 | length 93.6
  Top Layer w0.2: v1@31.598,-29.948 ccw(c31.184,-29.534) 31.77,-29.534 ; 31.77,-29.509 ccw(c32.391,-29.509) v1@31.952,-29.948 ; U18.93@31.77,-23.036 31.77,-30.12 v1(31.775,-30.125)
  Bottom Layer w0.2: v1@31.598,-29.948 ccw(c31.171,-29.521) 31.775,-29.521 ccw(c32.379,-29.521) v1@31.952,-29.948 ; v1(31.775,-30.125) 31.775,-26.33 31.77,-26.325 31.77,-22.055 32.45,-21.375 49.03,-21.375 52.515,-24.86 92.615,-24.86 94.58,-22.895 ; U7.4@94.101,-21.835 cw(c93.169,-22.895) 94.58,-22.895 ; U7.4@94.233,-21.685 cw(c93.558,-22.452) 94.58,-22.452 cw(c95.603,-22.452) U7.4@94.927,-21.685 ; U7.4@94.58,-21.29 94.58,-22.895 ; U7.4@95.06,-21.835 ccw(c95.992,-22.895) 94.58,-22.895
  Bottom Layer w0.4: U7.4@94.58,-21.29 95.504,-20.366 R31.1@95.504,-18.288 ; R31.1@95.115,-18.777 cw(c94.176,-19.716) 95.504,-19.716 cw(c96.832,-19.716) R31.1@95.893,-18.777
DIG8: R32.1 U8.4 U18.96 | length 78.7
  Top Layer w0.2: v1(29.625,-25.25) 30.27,-24.605 U18.96@30.27,-23.036 ; v1@29.625,-25 ccw(c29.625,-24.396) 30.052,-24.823 ccw(c30.479,-25.25) v1@29.875,-25.25
  Bottom Layer w0.2: v1@29.448,-25.073 ccw(c29.021,-24.646) 29.625,-24.646 ccw(c30.229,-24.646) v1@29.802,-25.073 ; v1(29.625,-25.25) 29.625,-23.25 32.4,-20.475 49.4,-20.475 53.395,-24.47 84.473,-24.47 U8.4@87.653,-21.29 ; U8.4@86.928,-21.29 cw(c85.176,-21.29) 86.415,-22.529 cw(c87.653,-23.767) U8.4@87.653,-22.016 ; U8.4@87.128,-21.29 cw(c85.859,-21.29) 86.756,-22.187 cw(c87.653,-23.084) U8.4@87.653,-21.816
  Bottom Layer w0.4: U8.4@87.653,-21.29 88.392,-20.551 R32.1@88.392,-18.288 ; R32.1@88.003,-18.777 cw(c87.064,-19.716) 88.392,-19.716 cw(c89.72,-19.716) R32.1@88.781,-18.777
DIG9: R33.1 U9.4 U18.97 | length 73.9
  Top Layer w0.2: U18.97@29.77,-23.036 29.77,-21.28 30.95,-20.1 ; 31.228,-20.1 ccw(c31.228,-19.753) v1@31.473,-19.998 ; v1@31.459,-20.336 ccw(c30.95,-20.766) 30.95,-20.1 ; v1(31.65,-20.175) 31.575,-20.1 30.95,-20.1
  Bottom Layer w0.2: v1(31.65,-20.175) 32.125,-19.7 49.75,-19.7 54.13,-24.08 77.936,-24.08 U9.4@80.726,-21.29 ; v1@31.65,-19.925 ccw(c31.65,-19.321) 32.077,-19.748 ccw(c32.504,-20.175) v1@31.9,-20.175 ; U9.4@80,-21.29 cw(c78.249,-21.29) 79.487,-22.529 cw(c80.726,-23.767) U9.4@80.726,-22.016 ; U9.4@80.2,-21.29 cw(c78.932,-21.29) 79.829,-22.187 cw(c80.726,-23.084) U9.4@80.726,-21.816
  Bottom Layer w0.4: U9.4@80.284,-20.848 ccw(c79.216,-19.78) 80.726,-19.78 ccw(c82.236,-19.78) U9.4@81.168,-20.848 ; U9.4@80.726,-21.29 80.726,-18.842 R33.1@81.28,-18.288 ; U9.4@80.726,-21.054 cw(c83.946,-21.054) R33.1@81.669,-18.777 ; 80.726,-20.088 cw(c82.98,-20.088) R33.1@81.386,-18.494 ; R33.1@80.726,-19.122 cw(c82.014,-19.122) R33.1@81.103,-18.211
DIG10: R34.1 U10.4 U18.98 | length 62.3
  Top Layer w0.2: U18.98@29.27,-23.036 29.27,-21.13 v1(31.3,-19.1) ; v1@31.05,-19.1 cw(c30.446,-19.1) 30.873,-19.527 cw(c31.3,-19.954) v1@31.3,-19.35
  Bottom Layer w0.2: v1(31.3,-19.1) 50.125,-19.1 54.715,-23.69 71.399,-23.69 U10.4@73.799,-21.29 ; v1@31.477,-19.277 cw(c31.904,-19.704) 31.904,-19.1 cw(c31.904,-18.496) v1@31.477,-18.923 ; 72.56,-22.529 cw(c73.799,-23.767) U10.4@73.799,-22.016 ; 72.56,-22.529 ccw(c71.322,-21.29) U10.4@73.073,-21.29 ; U10.4@73.273,-21.29 cw(c72.004,-21.29) 72.901,-22.187 cw(c73.799,-23.084) U10.4@73.799,-21.816
  Bottom Layer w0.4: U10.4@73.799,-21.29 74.676,-20.413 R34.1@74.676,-18.288 ; R34.1@74.287,-18.777 cw(c73.348,-19.716) 74.676,-19.716 cw(c76.004,-19.716) R34.1@75.065,-18.777
DIG11: R35.1 U11.4 U18.99 | length 63.5
  Top Layer w0.2: U18.99@28.77,-23.036 28.77,-20.705 30.175,-19.3 v1(30.175,-19.075) ; 29.589,-19.886 ccw(c28.778,-19.075) v1@29.925,-19.075 ; 29.931,-19.544 ccw(c29.461,-19.075) v1@30.125,-19.075
  Bottom Layer w0.2: v1(30.175,-19.075) 31.025,-18.225 50.3,-18.225 55.35,-23.275 64.886,-23.275 U11.4@66.871,-21.29 ; v1@30.175,-18.825 ccw(c30.175,-18.221) 30.602,-18.648 ; v1@30.425,-19.075 cw(c31.029,-19.075) 30.602,-18.648 ; U11.4@66.146,-21.29 cw(c64.394,-21.29) 65.633,-22.529 cw(c66.871,-23.767) U11.4@66.871,-22.016 ; U11.4@66.346,-21.29 cw(c65.077,-21.29) 65.974,-22.187 cw(c66.871,-23.084) U11.4@66.871,-21.816
  Bottom Layer w0.4: U11.4@66.448,-20.83 ccw(c64.112,-18.288) R35.1@67.564,-18.288 67.564,-20.597 U11.4@66.871,-21.29 ; U11.4@66.719,-21.124 ccw(c64.949,-19.199) 67.564,-19.199 ; U11.4@66.989,-21.419 ccw(c65.787,-20.11) 67.564,-20.11 ; R35.1@67.175,-18.777 cw(c66.236,-19.716) 67.564,-19.716 cw(c68.892,-19.716) R35.1@67.953,-18.777
DIG12: R36.1 U12.4 U18.100 | length 54.5
  Top Layer w0.2: U18.100@28.27,-23.036 28.27,-20.58 29.325,-19.525 v1(29.325,-18.25) ; v1@29.148,-18.427 cw(c28.721,-18.854) 29.325,-18.854 cw(c29.929,-18.854) v1@29.502,-18.427
  Bottom Layer w0.2: v1(29.325,-18.25) 29.95,-17.625 50.525,-17.625 55.7,-22.8 59,-22.8 59.944,-21.856 U12.4@59.944,-21.29 ; v1@29.325,-18 ccw(c29.325,-17.396) 29.752,-17.823 ccw(c30.179,-18.25) v1@29.575,-18.25 ; 59.283,-22.517 ccw(c58.838,-22.072) U12.4@59.352,-21.709 ; 59.451,-22.349 ccw(c59.035,-21.933) U12.4@59.515,-21.594 ; 59.618,-22.182 ccw(c59.231,-21.794) U12.4@59.678,-21.478 ; 59.672,-22.128 cw(c59.944,-22.401) U12.4@59.944,-22.016
  Bottom Layer w0.4: U12.4@59.502,-20.848 ccw(c57.207,-18.554) R36.1@60.452,-18.554 ; U12.4@59.785,-21.131 ccw(c58.173,-19.519) 60.452,-19.519 ; U12.4@59.944,-21.29 60.452,-20.782 R36.1@60.452,-18.288 ; R36.1@60.063,-18.777 cw(c59.124,-19.716) 60.452,-19.716 cw(c61.78,-19.716) R36.1@60.841,-18.777 ; U12.4@60.067,-21.413 ccw(c59.139,-20.485) 60.452,-20.485